# Altium PCB DM1092.PcbDoc (part 1 of 5) (continued)
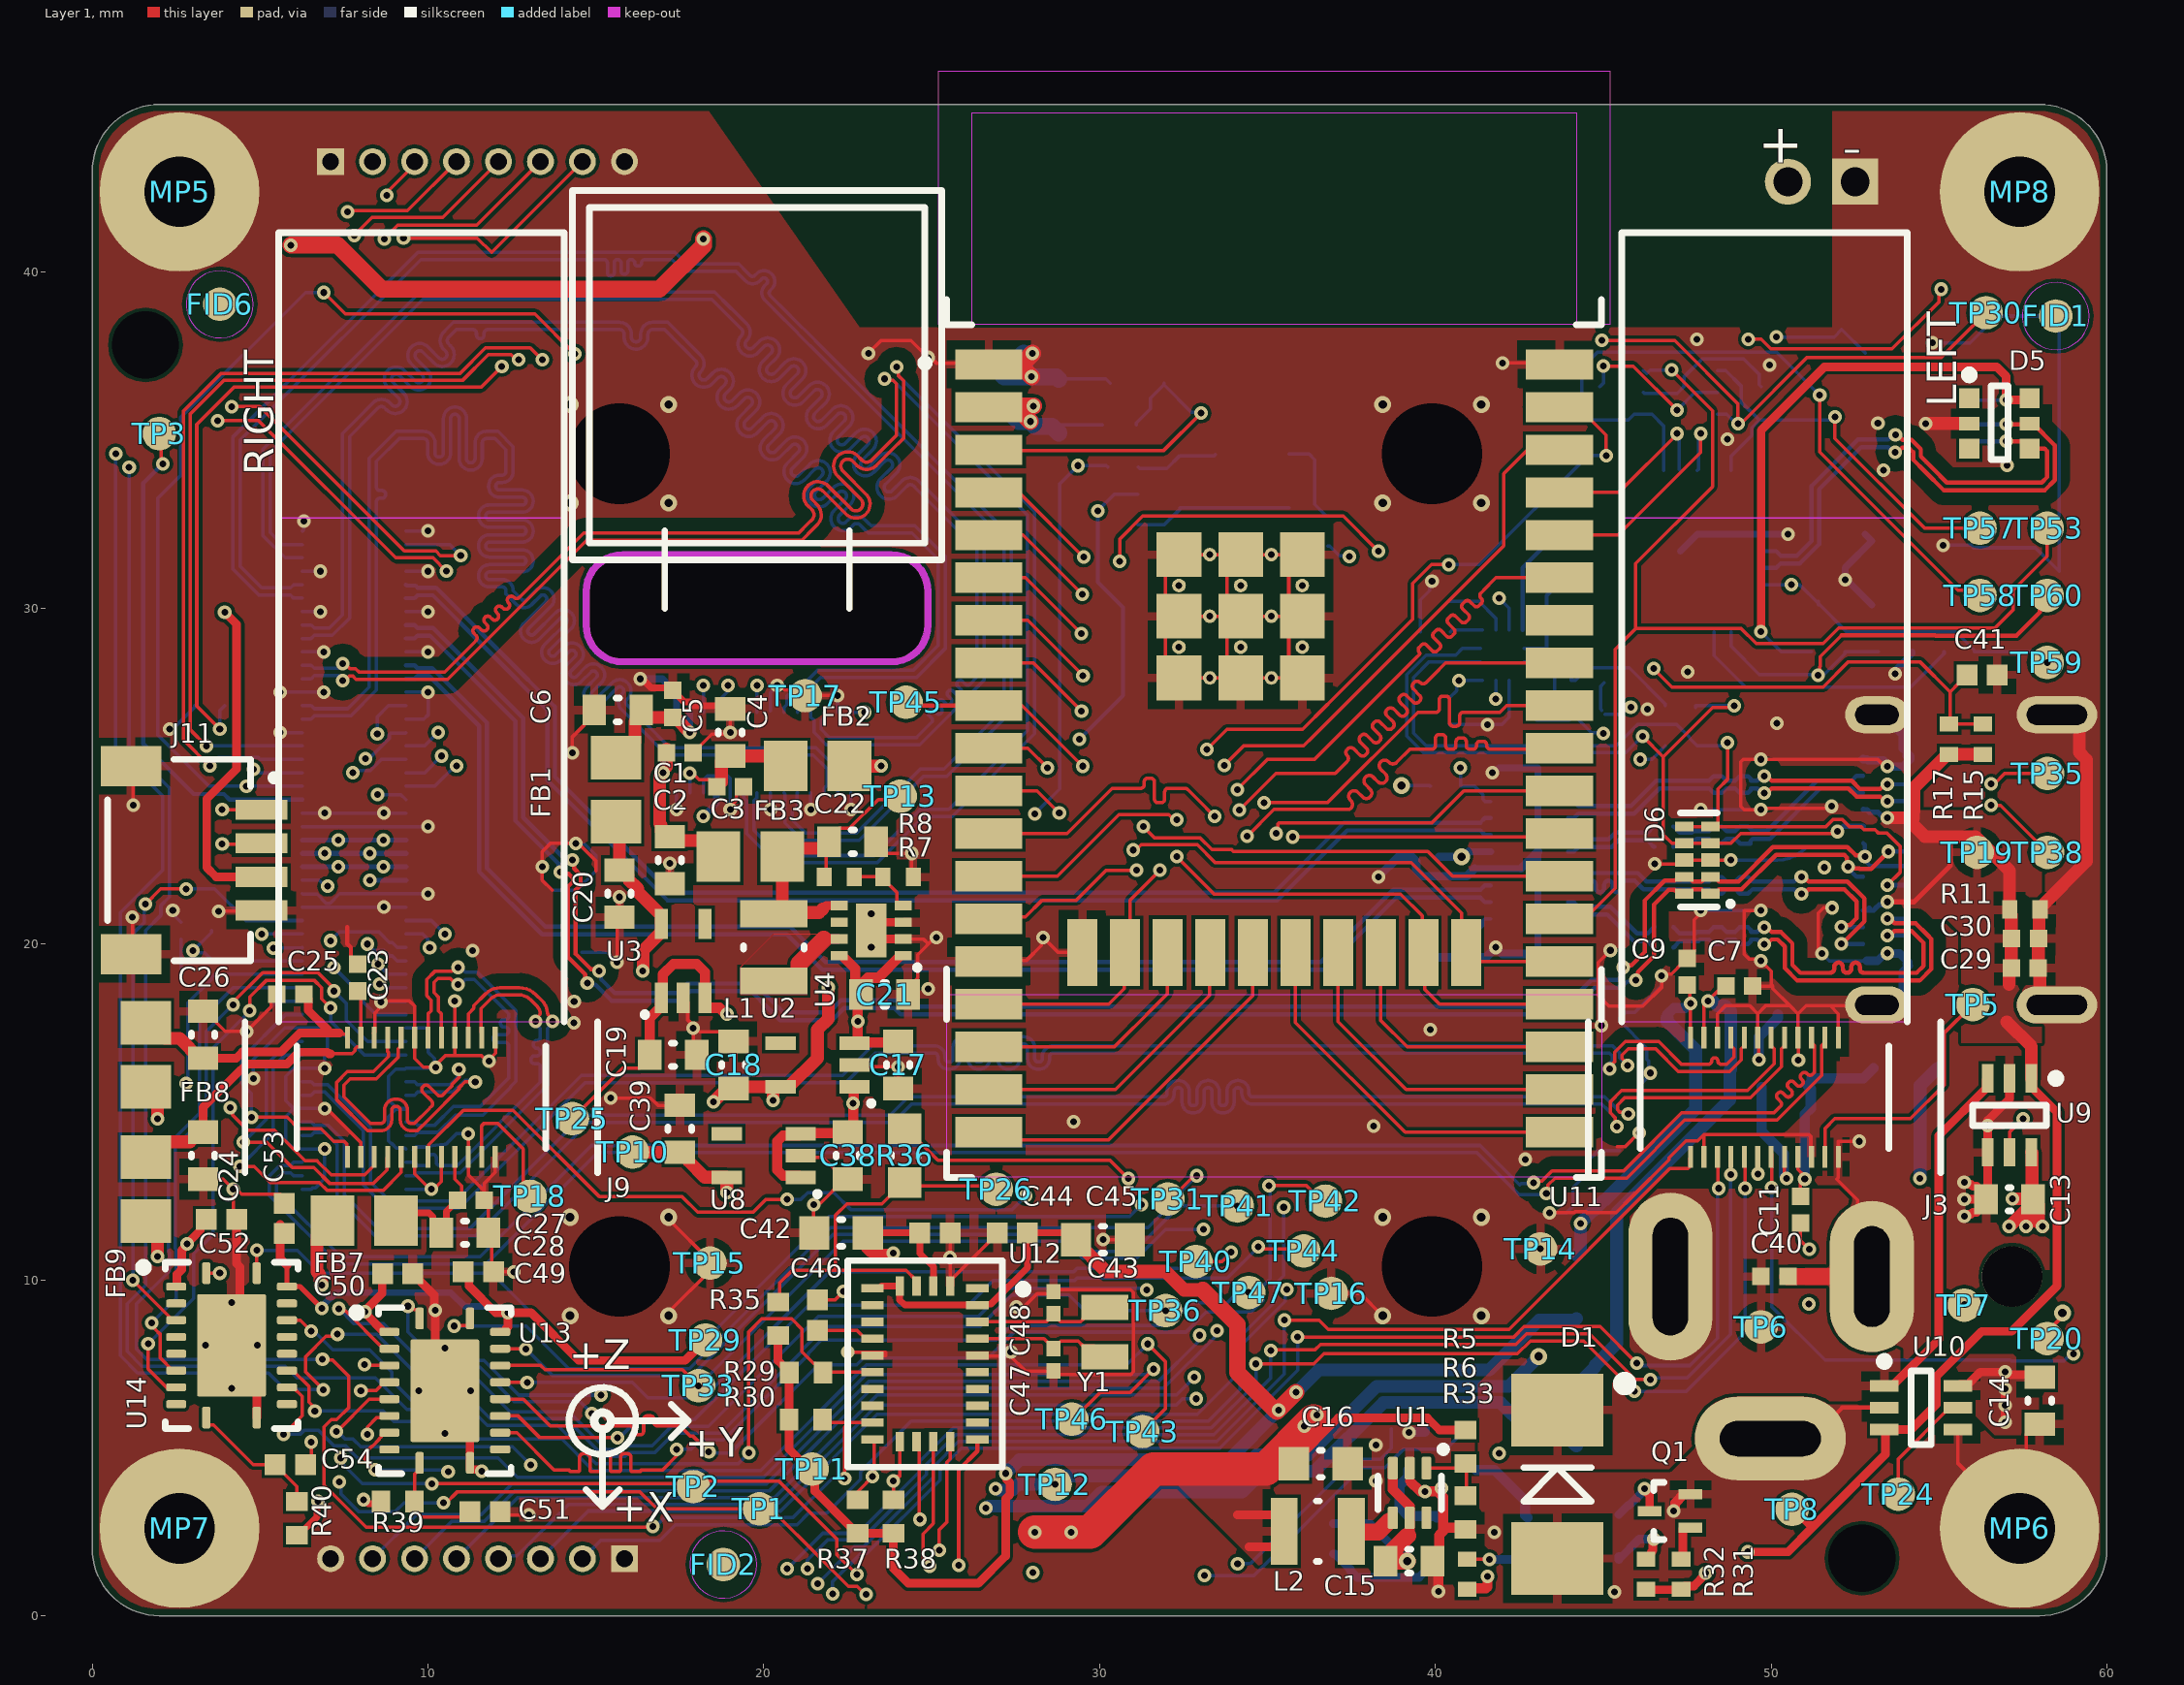
[diagram p0: Layer 1 view]
## Footprints (in the part's own frame and the unit in brackets; to place one, negate y for a bottom-side part, rotate by r counter-clockwise, add the part's x,y. Pads: shape width x height; smd on the part's side, far side on the other; paste and mask are expansions set on the pad) (continued)
  rect 0.4x0.9 smd paste-0.025 mask+0.05: 1(-0.65,-1.1) 2(0,-1.1) 3(0.65,-1.1) 4(0.65,1.1) 5(-0.65,1.1)
  silkscreen extent -1.17,-1.63 -1.12,-1.57, body extent -1.1,-1.2 1.1,1.2, height 1.1
TLV70018DCK [mm] "SC70-5 1.1mm"
  rect 0.4x0.9 smd paste-0.025 mask+0.05: 1(-0.65,-1.1) 2(0,-1.1) 3(0.65,-1.1) 4(0.65,1.1) 5(-0.65,1.1)
  silkscreen extent -1.17,-1.63 -1.12,-1.57, body extent -1.1,-1.2 1.1,1.2, height 1.1
TLV70028DCK [mm] "SC70-5 1.1mm"
  rect 0.4x0.9 smd paste-0.025 mask+0.05: 1(-0.65,-1.1) 2(0,-1.1) 3(0.65,-1.1) 4(0.65,1.1) 5(-0.65,1.1)
  silkscreen extent -1.17,-1.63 -1.12,-1.57, body extent -1.1,-1.2 1.1,1.2, height 1.1
TP075_150_NS [mm] "0.75mm dia pad, 1.5mm dia clearance, no silk screen"
  round 0.75 smd paste-2: 1(0,0)
TP100_200_NS [mm] "1mm dia pad, 2mm dia clearance, no silk screen"
  round 1 smd paste-2: 1(0,0)
TPD4EUSB30DQAR [mm] "TPD4EUSB30DQAR"
  rect 0.3x0.55 smd mask+0.05: 1(-1,-0.39) 2(-0.5,-0.39) 4(0.5,-0.39) 5(1,-0.39) 6(1,0.39) 7(0.5,0.39) 9(-0.5,0.39) 10(-1,0.39)
  rect 0.4x0.55 smd mask+0.05: 3(0,-0.39) 8(0,0.39)
  silkscreen extent -1.4,-1.01 1.4,0.5, body extent -1.2,-0.71 1.2,0.71, height 0.55
TUSB321RWBR [mm] "X2QFN-12 1.6x1.6"
  rrect50% 0.2x0.7 smd mask+0.05: 1(0.2,0.65) 2(-0.2,0.65) 7(-0.2,-0.65) 8(0.2,-0.65)
  rrect50% 0.5x0.2 smd mask+0.05: 3(-0.75,0.6) 4(-0.75,0.2) 5(-0.75,-0.2) 6(-0.75,-0.6) 9(0.75,-0.6) 10(0.75,-0.2) 11(0.75,0.2) 12(0.75,0.6)
  silkscreen extent 0.57,0.97 0.63,1.03, body extent -0.8,-0.8 0.8,0.8, height 0.4
TXS0108ERGYR [mm] "20-VQFN (3.5x4.5)"
  rrect50% 0.25x0.65 smd mask+0.07: 1(-0.75,2.15) 10(-0.75,-2.15) 11(0.75,-2.15) 20(0.75,2.15)
  rrect50% 0.6x0.24 smd mask+0.07: 2(-1.65,1.75) 3(-1.65,1.25) 4(-1.65,0.75) 5(-1.65,0.25) 6(-1.65,-0.25) 7(-1.65,-0.75) 8(-1.65,-1.25) 9(-1.65,-1.75) 12(1.65,-1.75) 13(1.65,-1.25) 14(1.65,-0.75) 15(1.65,-0.25) 16(1.65,0.25) 17(1.65,0.75) 18(1.65,1.25) 19(1.65,1.75)
  oval 0.406x0.406 hole 0.203 mask+0.102: 21(-0.775,0) 21(0,-1.275) 21(0,1.275) 21(0.775,0)
  rrect5% 2.05x3.05 smd paste-3 mask+0.07: 21(0,0)
  silkscreen extent -2.75,-2.47 1.97,2.48, body extent -1.83,-2.33 1.83,2.33, height 1

## Part data
B1: library part DTSM-32N-V, "SWITCH TACTILE SMT 3.5mm * 6mm , brown 160gf", Manufacturer 1=Diptronics, Manufacturer Part Number 1=DTSM-32N-V-T/R, Max Operating Temperature=80°C, Min Operating Temperature=-30°C, Supplier Part Number 1=113-DTSM32NVTR, ComponentLink1Description=https://datasheet.ciiva.com/29188/708548-da-01-en-tastschalter-smd-dtsm-32n-v-tr-1600st-29188823.pdf?src-supplier=Conrad, ComponentLink1URL=https://datasheet.ciiva.com/29188/708548-da-01-en-tastschalter-smd-dtsm-32n-v-tr-1600st-29188823.pdf?src-supplier=Conrad, Height=5mm, Length=6mm, Pricing 1="1=0.38000, 10=0.38000, 50=0.31000, 100=0.28200, 500=0.25600, 1000=0.23600, 1600=0.20900, 4800=0.18800, 9600=0.17300, 10000=0.17300, 24000=0.16100 (USD)", RoHS=No, Stock 1=3199, Supplier 1=Mouser, Width=3.5mm
C1 C3 C5 C7 C9 C11 C23 C25 C27: library part GRM155R71A104JA01D, "CAP CER 0.1UF 10V X7R 0402 5%", Capacitance=100nF, Case/Package=0402, Case Code (Metric)=1005, Dielectric=X7R, Manufacturer 1=Murata, Max Operating Temperature=125°C, Min Operating Temperature=-55°C, Package Quantity=10000, Supplier Part Number 1=490-10777-1-ND, Tolerance=5%, Voltage Rating=10V, Case Code (Imperial)=0402, ComponentLink1Description=https://datasheet.ciiva.com/5411/product-5411135.pdf?src-supplier=Mouser, ComponentLink1URL=https://datasheet.ciiva.com/5411/product-5411135.pdf?src-supplier=Mouser, ComponentLink2Description=https://datasheet.ciiva.com/11618/c02e-11618821.pdf?src-supplier=Avnet, ComponentLink2URL=https://datasheet.ciiva.com/11618/c02e-11618821.pdf?src-supplier=Avnet, Depth=0.5mm, Height=0.5mm, Lead Free="Lead Free", Length=1mm, Manufacturer Part Number 1=GRM155R71A104JA01D, Mount="Surface Mount", Packaging="Tape and Reel", Pricing 1="1=0.10000, 10=0.02500, 100=0.01130, 500=0.00806, 1000=0.00633, 2500=0.00575, 5000=0.00529 (USD)", Radiation Hardening=No, RoHS=Yes, Stock 1=1346709, Supplier 1=Digi-Key, Termination=SMD/SMT, Thickness=0.022inch, Voltage Rating (DC)=10V, Width=0.02inch
C2 C4 C6 C8 C10 C12 C17 C18 C19 C20 C21 C24 C26 C28 C38 C39: library part GRM188R61A106ME69D, "CAP CER 10UF 10V X5R 0603 20%", Capacitance=10uF, Case/Package=0603, Case Code (Metric)=1608, Dielectric=X5R, Manufacturer 1=Murata, Max Operating Temperature=85°C, Min Operating Temperature=-55°C, Package Quantity=4000, Supplier Part Number 1=490-10475-1-ND, Tolerance=20%, Voltage Rating=10V, Case Code (Imperial)=0603, ComponentLink1Description=http://www.mouser.com/ds/2/281/c02e-2905.pdf?src-supplier=Mouser, ComponentLink1URL=http://www.mouser.com/ds/2/281/c02e-2905.pdf?src-supplier=Mouser, ComponentLink2Description=http://components.arrow.com/part/dataview/0323_06119472?src-supplier=Arrow+Europe, ComponentLink2URL=http://components.arrow.com/part/dataview/0323_06119472?src-supplier=Arrow+Europe, ComponentLink3Description=http://www.farnell.com/datasheets/2048014.pdf?src-supplier=Farnell, ComponentLink3URL=http://www.farnell.com/datasheets/2048014.pdf?src-supplier=Farnell, ComponentLink4Description=http://www.farnell.com/datasheets/1872210.pdf?src-supplier=Farnell, ComponentLink4URL=http://www.farnell.com/datasheets/1872210.pdf?src-supplier=Farnell, ComponentLink5Description=http://search.murata.co.jp/Ceramy/image/img/A01X/G101/ENG/GRM188R61A106ME69-01.pdf?src-supplier=Digi-Key, ComponentLink5URL=http://search.murata.co.jp/Ceramy/image/img/A01X/G101/ENG/GRM188R61A106ME69-01.pdf?src-supplier=Digi-Key, ComponentLink6Description=http://www.farnell.com/datasheets/1872210.pdf?src-supplier=Newark, ComponentLink6URL=http://www.farnell.com/datasheets/1872210.pdf?src-supplier=Newark, ComponentLink7Description=http://www.farnell.com/datasheets/2048014.pdf?src-supplier=Element14, ComponentLink7URL=http://www.farnell.com/datasheets/2048014.pdf?src-supplier=Element14, ComponentLink8Description=http://www.farnell.com/datasheets/2048014.pdf?src-supplier=Newark, ComponentLink8URL=http://www.farnell.com/datasheets/2048014.pdf?src-supplier=Newark, Depth=0.8mm, Height=0.8mm, Lead Free="Lead Free", Length=1.6mm, Manufacturer Part Number 1=GRM188R61A106ME69D, Material=Ceramic, Mount="Surface Mount", Packaging="Tape and Reel", Pricing 1="1=0.21000, 10=0.14100, 100=0.07130, 500=0.04876, 1000=0.04313 (USD)", REACH SVHC=Unknown, RoHS=Yes, Stock 1=2873098, Supplier 1=Digi-Key, Termination=SMD/SMT, Thickness=0.035inch, Voltage Rating (DC)=10V, Weight=0.000222oz, Width=0.8mm
C13 C14 C22: library part GRM188R61A226ME15D, "CAP CER 22UF 10V X5R 0603 20%", Capacitance=22uF, Case/Package=0603, Case Code (Metric)=1608, Dielectric=X5R, Manufacturer 1=Murata, Max Operating Temperature=85°C, Min Operating Temperature=-55°C, Package Quantity=4000, Supplier Part Number 1=490-10476-1-ND, Tolerance=20%, Voltage Rating=10V, Case Code (Imperial)=0603, ComponentLink1Description=https://datasheet.ciiva.com/46444/1769893-46444975.pdf?src-supplier=Element14, ComponentLink1URL=https://datasheet.ciiva.com/46444/1769893-46444975.pdf?src-supplier=Element14, Depth=0.8mm, Height=0.8mm, Lead Free="Lead Free", Length=1.6mm, Manufacturer Part Number 1=GRM188R61A226ME15D, Material=Ceramic, Mount="Surface Mount", Packaging="Tape and Reel", Pricing 1="1=0.31000, 10=0.21500, 100=0.12160, 500=0.08584, 1000=0.07512 (USD)", REACH SVHC="No SVHC", RoHS=Yes, Stock 1=984716, Supplier 1=Digi-Key, Termination=SMD/SMT, Thickness=0.039inch, Voltage Rating (DC)=10V, Weight=0.000222oz, Width=0.8mm
C15 C42 C43 C56: library part GRM188R61A106ME69D, "CAP CER 10UF 10V X5R 0603 20%", Capacitance=10uF, Case Code (Imperial)=0603, Case Code (Metric)=1608, Dielectric=X5R, Manufacturer 1=Murata, Max Operating Temperature=85°C, Min Operating Temperature=-55°C, Package Quantity=4000, Supplier Part Number 1=490-10475-1-ND, Tolerance=20%, Voltage Rating=10V, Case/Package=0603, ComponentLink1Description=http://www.mouser.com/ds/2/281/c02e-2905.pdf?src-supplier=Mouser, ComponentLink1URL=http://www.mouser.com/ds/2/281/c02e-2905.pdf?src-supplier=Mouser, ComponentLink2Description=http://components.arrow.com/part/dataview/0323_06119472?src-supplier=Arrow+Europe, ComponentLink2URL=http://components.arrow.com/part/dataview/0323_06119472?src-supplier=Arrow+Europe, ComponentLink3Description=http://www.farnell.com/datasheets/2048014.pdf?src-supplier=Farnell, ComponentLink3URL=http://www.farnell.com/datasheets/2048014.pdf?src-supplier=Farnell, ComponentLink4Description=http://www.farnell.com/datasheets/1872210.pdf?src-supplier=Farnell, ComponentLink4URL=http://www.farnell.com/datasheets/1872210.pdf?src-supplier=Farnell, ComponentLink5Description=http://search.murata.co.jp/Ceramy/image/img/A01X/G101/ENG/GRM188R61A106ME69-01.pdf?src-supplier=Digi-Key, ComponentLink5URL=http://search.murata.co.jp/Ceramy/image/img/A01X/G101/ENG/GRM188R61A106ME69-01.pdf?src-supplier=Digi-Key, ComponentLink6Description=http://www.farnell.com/datasheets/1872210.pdf?src-supplier=Newark, ComponentLink6URL=http://www.farnell.com/datasheets/1872210.pdf?src-supplier=Newark, ComponentLink7Description=http://www.farnell.com/datasheets/2048014.pdf?src-supplier=Element14, ComponentLink7URL=http://www.farnell.com/datasheets/2048014.pdf?src-supplier=Element14, ComponentLink8Description=http://www.farnell.com/datasheets/2048014.pdf?src-supplier=Newark, ComponentLink8URL=http://www.farnell.com/datasheets/2048014.pdf?src-supplier=Newark, Depth=0.8mm, Height=0.8mm, Lead Free="Lead Free", Length=1.6mm, Manufacturer Part Number 1=GRM188R61A106ME69D, Material=Ceramic, Mount="Surface Mount", Packaging="Tape and Reel", Pricing 1="1=0.21000, 10=0.14100, 100=0.07130, 500=0.04876, 1000=0.04313 (USD)", REACH SVHC=Unknown, RoHS=Yes, Stock 1=2873098, Supplier 1=Digi-Key, Termination=SMD/SMT, Thickness=0.035inch, Voltage Rating (DC)=10V, Weight=0.000222oz, Width=0.8mm
C16: library part GRM188R61A226ME15D, "CAP CER 22UF 10V X5R 0603 20%", Capacitance=22uF, Case Code (Imperial)=0603, Case Code (Metric)=1608, Dielectric=X5R, Manufacturer 1=Murata, Max Operating Temperature=85°C, Min Operating Temperature=-55°C, Package Quantity=4000, Supplier Part Number 1=490-10476-1-ND, Tolerance=20%, Voltage Rating=10V, Case/Package=0603, ComponentLink1Description=https://datasheet.ciiva.com/46444/1769893-46444975.pdf?src-supplier=Element14, ComponentLink1URL=https://datasheet.ciiva.com/46444/1769893-46444975.pdf?src-supplier=Element14, Depth=0.8mm, Height=0.8mm, Lead Free="Lead Free", Length=1.6mm, Manufacturer Part Number 1=GRM188R61A226ME15D, Material=Ceramic, Mount="Surface Mount", Packaging="Tape and Reel", Pricing 1="1=0.31000, 10=0.21500, 100=0.12160, 500=0.08584, 1000=0.07512 (USD)", REACH SVHC="No SVHC", RoHS=Yes, Stock 1=984716, Supplier 1=Digi-Key, Termination=SMD/SMT, Thickness=0.039inch, Voltage Rating (DC)=10V, Weight=0.000222oz, Width=0.8mm
C29 C30 C35 C36: library part GRM155R60J106ME15D, "CAP CER 10UF 6.3V X5R 0402 20%", Capacitance=10uF, Case/Package=0402, Case Code (Metric)=1005, Dielectric=X5R, Manufacturer 1=Murata, Max Operating Temperature=85°C, Min Operating Temperature=-55°C, Supplier Part Number 1=490-13238-1-ND, Tolerance=20%, Voltage Rating=6.3V, Case Code (Imperial)=0402, ComponentLink1Description=https://www.murata.com/~/media/webrenewal/support/library/catalog/products/capacitor/mlcc/c02e.ashx?la=en-us&src-supplier=Digi-Key, ComponentLink1URL=https://www.murata.com/~/media/webrenewal/support/library/catalog/products/capacitor/mlcc/c02e.ashx?la=en-us&src-supplier=Digi-Key, Length=0.039inch, Manufacturer Part Number 1=GRM155R60J106ME15D, Mount="Surface Mount", Packaging="Tape and Reel", Pricing 1="1=0.23000, 10=0.15700, 100=0.07950, 500=0.05442, 1000=0.04814, 2500=0.04605, 5000=0.04186 (USD)", RoHS=Yes, Stock 1=1839627, Supplier 1=Digi-Key, Thickness=0.026inch, Voltage Rating (DC)=6.3V, Width=0.02inch
C31 C32 C33 C34: library part GRM033R61A104KE15D, "CAP CER 0.1UF 10V X5R 0201", Capacitance=100nF, Case/Package=0201, Case Code (Metric)=0603, Dielectric=X5R, Manufacturer 1=Murata, Max Operating Temperature=85°C, Min Operating Temperature=-55°C, Package Quantity=1, Supplier Part Number 1=490-5881-1-ND, Tolerance=10%, Voltage=10V, Case Code (Imperial)=0201, ComponentLink1Description=https://datasheet.ciiva.com/26843/getdatasheetpartid-308656-26843739.pdf?src-supplier=Verical, ComponentLink1URL=https://datasheet.ciiva.com/26843/getdatasheetpartid-308656-26843739.pdf?src-supplier=Verical, ComponentLink2Description=https://datasheet.ciiva.com/5413/product-5413117.pdf?src-supplier=Mouser, ComponentLink2URL=https://datasheet.ciiva.com/5413/product-5413117.pdf?src-supplier=Mouser, ComponentLink3Description=https://datasheet.ciiva.com/6256/partnumbering-e-01-6256406.pdf?src-supplier=Digi-Key, ComponentLink3URL=https://datasheet.ciiva.com/6256/partnumbering-e-01-6256406.pdf?src-supplier=Digi-Key, ComponentLink4Description=https://datasheet.ciiva.com/6256/partnumbering-e-01-6256407.pdf?src-supplier=Digi-Key, ComponentLink4URL=https://datasheet.ciiva.com/6256/partnumbering-e-01-6256407.pdf?src-supplier=Digi-Key, ComponentLink5Description=https://datasheet.ciiva.com/6256/partnumbering-e-01-6256408.pdf?src-supplier=Digi-Key, ComponentLink5URL=https://datasheet.ciiva.com/6256/partnumbering-e-01-6256408.pdf?src-supplier=Digi-Key, Depth=0.3mm, Height=0.3mm, Lead Free="Lead Free", Length=0.6mm, Manufacturer Part Number 1=GRM033R61A104KE15D, Mount="Surface Mount", Packaging="Tape and Reel", Pricing 1="1=0.10000, 10=0.04200, 100=0.01860, 500=0.01330, 1000=0.01045, 2500=0.00950, 5000=0.00874 (USD)", Radiation Hardening=No, REACH SVHC="No SVHC", RoHS=Yes, Stock 1=45335312, Supplier 1=Digi-Key, Termination=SMD/SMT, Thickness=0.013inch, Voltage Rating=10V, Voltage Rating (DC)=10V, Weight=6E-06oz, Width=0.012inch
C40 C41 C51 C54: library part GRM155R61E105KA12D, "CAP CER 1UF 25V X5R 0402 10%", Capacitance=1uF, Case Code (Imperial)=0402, Case Code (Metric)=1005, Dielectric=X5R, Manufacturer 1=Murata, Max Operating Temperature=85°C, Min Operating Temperature=-55°C, Package Quantity=10000, Supplier Part Number 1=490-10017-1-ND, Tolerance=10%, Voltage=25V, Case/Package=0402, ComponentLink1Description=https://datasheet.ciiva.com/22732/1666664-22732122.pdf?src-supplier=Element14, ComponentLink1URL=https://datasheet.ciiva.com/22732/1666664-22732122.pdf?src-supplier=Element14, ComponentLink2Description=https://datasheet.ciiva.com/7719/1666664-7719006.pdf?src-supplier=Element14, ComponentLink2URL=https://datasheet.ciiva.com/7719/1666664-7719006.pdf?src-supplier=Element14, Depth=0.5mm, Height=0.5mm, Lead Free="Lead Free", Length=1mm, Manufacturer Part Number 1=GRM155R61E105KA12D, Material=Ceramic, Mount="Surface Mount", Packaging="Tape and Reel", Pricing 1="1=0.10000, 10=0.07100, 100=0.03350, 500=0.02352, 1000=0.01947, 2500=0.01812, 5000=0.01658 (USD)", REACH SVHC="No SVHC", RoHS=Yes, Stock 1=200653, Supplier 1=Digi-Key, Termination=SMD/SMT, Thickness=0.022inch, Voltage Rating=25V, Voltage Rating (DC)=25V, Weight=0.000212oz, Width=0.5mm
  C41 C51 C54: Supplier 2=Arrow, Supplier 3=TTI, Supplier Part Number 2=GRM155R61E105KA12D, Supplier Part Number 3=GRM155R61E105KA12D
C44 C45 C46 C49 C50 C52 C53 C55: library part GRM155R71A104JA01D, "CAP CER 0.1UF 10V X7R 0402 5%", Capacitance=100nF, Case Code (Imperial)=0402, Case Code (Metric)=1005, Dielectric=X7R, Manufacturer 1=Murata, Max Operating Temperature=125°C, Min Operating Temperature=-55°C, Package Quantity=10000, Supplier Part Number 1=490-10777-1-ND, Tolerance=5%, Voltage Rating=10V, Case/Package=0402, ComponentLink1Description=https://datasheet.ciiva.com/5411/product-5411135.pdf?src-supplier=Mouser, ComponentLink1URL=https://datasheet.ciiva.com/5411/product-5411135.pdf?src-supplier=Mouser, ComponentLink2Description=https://datasheet.ciiva.com/11618/c02e-11618821.pdf?src-supplier=Avnet, ComponentLink2URL=https://datasheet.ciiva.com/11618/c02e-11618821.pdf?src-supplier=Avnet, Depth=0.5mm, Height=0.5mm, Lead Free="Lead Free", Length=1mm, Manufacturer Part Number 1=GRM155R71A104JA01D, Mount="Surface Mount", Packaging="Tape and Reel", Pricing 1="1=0.10000, 10=0.02500, 100=0.01130, 500=0.00806, 1000=0.00633, 2500=0.00575, 5000=0.00529 (USD)", Radiation Hardening=No, RoHS=Yes, Stock 1=1346709, Supplier 1=Digi-Key, Termination=SMD/SMT, Thickness=0.022inch, Voltage Rating (DC)=10V, Width=0.02inch
C47 C48: library part GRM0335C1E180FA01D, "Cap Ceramic 18pF 25V C0G 1% Pad SMD 0201 125C T/R", Capacitance=18pF, Case Code (Imperial)=0201, Case Code (Metric)=0603, Dielectric=C0G, Manufacturer 1=Murata, Max Operating Temperature=125°C, Min Operating Temperature=-55°C, Package Quantity=15000, Supplier Part Number 1=490-17804-1-ND, Tolerance=1%, Voltage Rating=25V, Case/Package=0201, Category="Ceramic Capacitors", ComponentLink1Description=https://datasheet.ciiva.com/29538/partnumbering-e-01-29538328.pdf?src-supplier=Digi-Key, ComponentLink1URL=https://datasheet.ciiva.com/29538/partnumbering-e-01-29538328.pdf?src-supplier=Digi-Key, Height=0.3mm, Length=0.024inch, Manufacturer Part Number 1=GRM0335C1E180FA01D, Mount="Surface Mount", Packaging="Tape and Reel", Pricing 1="1=0.10000, 10=0.02100, 100=0.00930, 500=0.00666, 1000=0.00523, 2500=0.00476, 5000=0.00438 (USD)", RoHS=Yes, Stock 1=27511, Supplier 1=Digi-Key, Supplier 2=Digi-Key, Supplier 3=Mouser, Supplier Part Number 2=490-17804-2-ND, Supplier Part Number 3=81-GRM0335C1E180FA1D, Termination=SMD/SMT, Thickness=0.013inch, Voltage Rating (DC)=25V, Width=0.3mm
C57 C58: library part GRM188R61C475KAAJD, "CAP CER 4.7UF 16V X5R 0603 10%", Capacitance=4.7uF, Case Code (Imperial)=0603, Case Code (Metric)=1608, Dielectric=X5R, Manufacturer 1=Murata, Max Operating Temperature=85°C, Min Operating Temperature=-55°C, Package Quantity=4000, Supplier Part Number 1=490-10481-1-ND, Tolerance=10%, Voltage Rating=16V, Case/Package=0603, ComponentLink1Description=https://datasheet.ciiva.com/14813/595grm188r61c475kaaj23-14813668.pdf?src-supplier=Arrow, ComponentLink1URL=https://datasheet.ciiva.com/14813/595grm188r61c475kaaj23-14813668.pdf?src-supplier=Arrow, Depth=0.8mm, Height=0.8mm, Lead Free="Lead Free", Length=1.6mm, Manufacturer 2=Murata, Manufacturer 3=Murata, Manufacturer Part Number 1=GRM188R61C475KAAJD, Manufacturer Part Number 2=GRM188R61C475KAAJD, Manufacturer Part Number 3=GRM188R61C475KAAJD, Material=Ceramic, Mount="Surface Mount", Packaging="Tape and Reel", Pricing 1="1=0.35000, 10=0.24600, 100=0.14730, 500=0.11050, 1000=0.09331 (USD)", Pricing 2="1=0.35000, 10=0.24600, 100=0.14730, 500=0.11050, 1000=0.09331 (USD)", Pricing 3="4000=0.07259, 8000=0.06832, 12000=0.06619, 28000=0.06405 (USD)", REACH SVHC="No SVHC", RoHS=Yes, Stock 1=455058, Stock 2=455058, Stock 3=452000, Supplier 1=Digi-Key, Supplier 2=Digi-Key, Supplier 3=Digi-Key, Supplier Part Number 2=490-10481-6-ND, Supplier Part Number 3=490-10481-2-ND, Termination=SMD/SMT, Thickness=0.037inch, Voltage Rating (DC)=16V, Weight=0.000222oz, Width=0.8mm
D1: library part 1SMB5919BT3G, "DIODE ZENER 5.6V 3W SMB", Breakdown Voltage=5.88V, Case/Package=SMB, Forward Voltage=1.5V, Manufacturer 1="ON Semiconductor", Max Operating Temperature=150°C, Max Power Dissipation=3W, Max Reverse Leakage Current=5uA, Min Operating Temperature=-65°C, Package Quantity=1, Power Dissipation=550mW, Supplier Part Number 1=1SMB5919BT3GOSTR-ND, Test Current=66.9mA, Tolerance=5%, Voltage Rating (DC)=5.6V, Zener Current=267mA, Category="Zener Diodes", ComponentLink1Description=https://datasheet.ciiva.com/27747/1308331-27747654.pdf?src-supplier=Jameco, ComponentLink1URL=https://datasheet.ciiva.com/27747/1308331-27747654.pdf?src-supplier=Jameco, ComponentLink2Description=https://datasheet.ciiva.com/1182/1smb5913bt3-d-1182657.pdf?src-supplier=Element14, ComponentLink2URL=https://datasheet.ciiva.com/1182/1smb5913bt3-d-1182657.pdf?src-supplier=Element14, ComponentLink3Description=https://datasheet.ciiva.com/1182/1smb5913bt3-d-1182658.pdf?src-supplier=Element14, ComponentLink3URL=https://datasheet.ciiva.com/1182/1smb5913bt3-d-1182658.pdf?src-supplier=Element14, ComponentLink4Description=https://datasheet.ciiva.com/895/1smb5913bt3-d-895203.pdf?src-supplier=Digi-Key, ComponentLink4URL=https://datasheet.ciiva.com/895/1smb5913bt3-d-895203.pdf?src-supplier=Digi-Key, ComponentLink5Description=https://datasheet.ciiva.com/895/1smb5913bt3-d-895204.pdf?src-supplier=Digi-Key, ComponentLink5URL=https://datasheet.ciiva.com/895/1smb5913bt3-d-895204.pdf?src-supplier=Digi-Key, ComponentLink6Description=https://datasheet.ciiva.com/895/1smb5913bt3-d-895205.pdf?src-supplier=Digi-Key, ComponentLink6URL=https://datasheet.ciiva.com/895/1smb5913bt3-d-895205.pdf?src-supplier=Digi-Key, ComponentLink7Description=https://datasheet.ciiva.com/15198/getdatasheetpartid-311040-15198695.pdf?src-supplier=Verical, ComponentLink7URL=https://datasheet.ciiva.com/15198/getdatasheetpartid-311040-15198695.pdf?src-supplier=Verical, ComponentLink8Description=https://datasheet.ciiva.com/16311/1smb5913bt3-d-16311847.pdf?src-supplier=Future+Electronics, ComponentLink8URL=https://datasheet.ciiva.com/16311/1smb5913bt3-d-16311847.pdf?src-supplier=Future+Electronics, ComponentLink9Description=https://datasheet.ciiva.com/16472/1smb5913bt3-d-16472779.pdf?src-supplier=Avnet+Asia, ComponentLink9URL=https://datasheet.ciiva.com/16472/1smb5913bt3-d-16472779.pdf?src-supplier=Avnet+Asia, Contact Plating=Tin,Matte, Element Configuration=Single, ESD Protection=Yes, Halogen Free="Halogen Free", Height=2.13mm, Impedance=2R, Lead Free="Lead Free", Length=4.32mm, Manufacturer Part Number 1=1SMB5919BT3G, Material=Plastic, Number of Pins=2, Packaging="Tape and Reel", Peak Reverse Current=5uA, Power Rating=3W, Pricing 1="2500=0.08908, 5000=0.08384, 12500=0.07860, 25000=0.07598, 62500=0.07074 (USD)", Radiation Hardening=No, REACH SVHC="No SVHC", RoHS=Yes, Stock 1=59012, Supplier 1=Digi-Key, Supplier 2=Avnet, Supplier 3=Newark, Supplier 4=LCSC, Supplier 5="Avnet Europe", Supplier Part Number 2=1SMB5919BT3G, Supplier Part Number 3=67R1406, Supplier Part Number 4=C70260, Supplier Part Number 5=1SMB5919BT3G, Voltage Tolerance=5%, Width=3.56mm, Working Voltage=5.6V, Zener Voltage=5.6V
D2: library part SML-D12U8WT86, "LED RED DIFFUSED 0603 SMD Red 620nm LED Indication - Discrete 2.2V 0603 (1608 Metric)", Case/Package=0603, Case Code (Metric)=1608, Color=Red, Forward Current=20mA, Forward Voltage=2.2V, Lens Color=White,Clear,Diffused, Manufacturer 1=Rohm, Max Operating Temperature=85°C, Min Operating Temperature=-40°C, Package Quantity=1, Supplier Part Number 1=511-1580-1-ND, Case Code (Imperial)=0603, ComponentLink1Description=https://datasheet.ciiva.com/11774/0900766b80df3ada-11774020.pdf?src-supplier=RSComponents, ComponentLink1URL=https://datasheet.ciiva.com/11774/0900766b80df3ada-11774020.pdf?src-supplier=RSComponents, ComponentLink2Description=https://datasheet.ciiva.com/2110/sml-d1-2110375.pdf?src-supplier=Digi-Key, ComponentLink2URL=https://datasheet.ciiva.com/2110/sml-d1-2110375.pdf?src-supplier=Digi-Key, ComponentLink3Description=https://datasheet.ciiva.com/2110/sml-d1-2110376.pdf?src-supplier=Digi-Key, ComponentLink3URL=https://datasheet.ciiva.com/2110/sml-d1-2110376.pdf?src-supplier=Digi-Key, ComponentLink4Description=https://datasheet.ciiva.com/2110/sml-d1-2110377.pdf?src-supplier=Digi-Key, ComponentLink4URL=https://datasheet.ciiva.com/2110/sml-d1-2110377.pdf?src-supplier=Digi-Key, ComponentLink5Description=https://datasheet.ciiva.com/9324/sml-d1-9324826.pdf?src-supplier=Avnet, ComponentLink5URL=https://datasheet.ciiva.com/9324/sml-d1-9324826.pdf?src-supplier=Avnet, ComponentLink6Description=https://datasheet.ciiva.com/17420/sml-d1-17420939.pdf?src-supplier=Avnet+Europe, ComponentLink6URL=https://datasheet.ciiva.com/17420/sml-d1-17420939.pdf?src-supplier=Avnet+Europe, Dominant Wavelength=620nm, Height=0.65mm, Illumination Color=Red, Lead Free="Lead Free", Length=1.6mm, Lens Style=Rectangular,Diffused,Colorless, Lens Transparency=Diffused, Luminous Intensity=63mcd, Manufacturer Part Number 1=SML-D12U8WT86, Mount="Surface Mount", Number of LEDs=1, Number of Pins=2, Packaging="Tape and Reel", Pricing 1="1=0.33000, 10=0.23900, 100=0.11340, 500=0.07560, 1000=0.05922 (USD)", Radiation Hardening=No, REACH SVHC="No SVHC", RoHS=Yes, Stock 1=63748, Supplier 1=Digi-Key, Test Current=20mA, Viewing Angle=160°, Wavelength=620nm, Width=0.8mm
D3 D4: library part SML-D12D8WT86, "LED ORANGE DIFFUSED 0603 SMD Orange 605nm LED Indication - Discrete 2.2V 0603 (1608 Metric)", Case/Package=0603, Case Code (Metric)=1608, Color=Orange, Forward Current=20mA, Forward Voltage=2.2V, Lens Color=White, Manufacturer 1=Rohm, Max Operating Temperature=85°C, Min Operating Temperature=-40°C, Package Quantity=1, Supplier Part Number 1=511-1577-1-ND, Case Code (Imperial)=0603, ComponentLink1Description=https://datasheet.ciiva.com/2115/sml-d1-2115577.pdf?src-supplier=Digi-Key, ComponentLink1URL=https://datasheet.ciiva.com/2115/sml-d1-2115577.pdf?src-supplier=Digi-Key, ComponentLink2Description=https://datasheet.ciiva.com/2115/sml-d1-2115578.pdf?src-supplier=Digi-Key, ComponentLink2URL=https://datasheet.ciiva.com/2115/sml-d1-2115578.pdf?src-supplier=Digi-Key, ComponentLink3Description=https://datasheet.ciiva.com/3161/sml-d1-3161418.pdf?src-supplier=Avnet, ComponentLink3URL=https://datasheet.ciiva.com/3161/sml-d1-3161418.pdf?src-supplier=Avnet, ComponentLink4Description=https://datasheet.ciiva.com/16387/sml-d1-16387850.pdf?src-supplier=Future+Electronics, ComponentLink4URL=https://datasheet.ciiva.com/16387/sml-d1-16387850.pdf?src-supplier=Future+Electronics, ComponentLink5Description=https://datasheet.ciiva.com/2115/sml-d1-2115579.pdf?src-supplier=Digi-Key, ComponentLink5URL=https://datasheet.ciiva.com/2115/sml-d1-2115579.pdf?src-supplier=Digi-Key, ComponentLink6Description=https://datasheet.ciiva.com/17419/sml-d1-17419886.pdf?src-supplier=Avnet+Europe, ComponentLink6URL=https://datasheet.ciiva.com/17419/sml-d1-17419886.pdf?src-supplier=Avnet+Europe, Dominant Wavelength=605nm, Height=0.65mm, Illumination Color=Orange, Lead Free="Lead Free", Length=1.6mm, Lens Style=Diffused,Colorless,Rectangular, Lens Transparency=Diffused, Luminous Intensity=100mcd, Manufacturer Part Number 1=SML-D12D8WT86, Mount="Surface Mount", Number of LEDs=1, Number of Pins=2, Packaging="Tape and Reel", Pricing 1="1=0.33000, 10=0.23900, 100=0.11340, 500=0.07560, 1000=0.05922 (USD)", Radiation Hardening=No, REACH SVHC=Unknown, RoHS=Yes, Stock 1=29355, Supplier 1=Digi-Key, Test Current=20mA, Viewing Angle=160°, Wavelength=605nm, Width=0.8mm
D5: "TVS DIODE 5V 12V 6TSSOP", Manufacturer 1=Nexperia, Supplier Part Number 1=1727-5798-1-ND, Category="ESD and Circuit Protection ICs", ComponentLink1Description=https://www.mouser.com/ds/2/302/PESDXL5UF_V_Y-63173.pdf?src-supplier=Mouser, ComponentLink1URL=https://www.mouser.com/ds/2/302/PESDXL5UF_V_Y-63173.pdf?src-supplier=Mouser, Manufacturer Part Number 1=PESD5V0L5UY,125, Pricing 1="1=0.36000, 10=0.27500, 25=0.24760, 100=0.13050, 250=0.12916, 500=0.11566, 1000=0.09000 (USD)", RoHS=No, Stock 1=13001, Supplier 1=Digi-Key, Supplier 2=Digi-Key, Supplier 3=Arrow, Supplier 4=Mouser, Supplier Part Number 2=1727-5798-2-ND, Supplier Part Number 3=PESD5V0L5UY,125, Supplier Part Number 4=771-PESD5V0L5UY,125
D6 D7 D8: "TVS DIODE 5.5V 8V 10SON 8V Clamp 1A (8/20µs) Ipp Tvs Diode Surface Mount 10-USON (2.5x1)", Breakdown Voltage=7V, Capacitance=0.8pF, Clamping Voltage=8V, Current Rating=5A, Manufacturer 1="Texas Instruments", Max Operating Temperature=85°C, Min Operating Temperature=-40°C, Package Quantity=1, Peak Pulse Current=1A, Peak Pulse Power=45W, Power Line Protection=Yes, Reverse Standoff Voltage=5.5V, Supplier Part Number 1=296-28063-1-ND, ComponentLink1Description=https://datasheet.ciiva.com/339/tpd4eusb30-339202.pdf?src-supplier=Digi-Key, ComponentLink1URL=https://datasheet.ciiva.com/339/tpd4eusb30-339202.pdf?src-supplier=Digi-Key, ComponentLink2Description=https://datasheet.ciiva.com/15134/getdatasheetpartid-299321-15134669.pdf?src-supplier=Verical, ComponentLink2URL=https://datasheet.ciiva.com/15134/getdatasheetpartid-299321-15134669.pdf?src-supplier=Verical, ComponentLink3Description=https://datasheet.ciiva.com/41659/1634000-41659268.pdf?src-supplier=Farnell, ComponentLink3URL=https://datasheet.ciiva.com/41659/1634000-41659268.pdf?src-supplier=Farnell, ComponentLink4Description=https://datasheet.ciiva.com/22621/1882087-22621482.pdf?src-supplier=Element14, ComponentLink4URL=https://datasheet.ciiva.com/22621/1882087-22621482.pdf?src-supplier=Element14, ComponentLink5Description=https://datasheet.ciiva.com/339/tpd4eusb30-339203.pdf?src-supplier=Digi-Key, ComponentLink5URL=https://datasheet.ciiva.com/339/tpd4eusb30-339203.pdf?src-supplier=Digi-Key, ComponentLink6Description=https://datasheet.ciiva.com/339/tpd4eusb30-339204.pdf?src-supplier=Digi-Key, ComponentLink6URL=https://datasheet.ciiva.com/339/tpd4eusb30-339204.pdf?src-supplier=Digi-Key, ComponentLink7Description=https://datasheet.ciiva.com/1504/1882087-1504249.pdf?src-supplier=Element14, ComponentLink7URL=https://datasheet.ciiva.com/1504/1882087-1504249.pdf?src-supplier=Element14, Data Rate=6Gbps, Depth=1mm, Direction=Unidirectional, ESD Protection=Yes, Height=0.5mm, Interface=USB, Lead Free="Lead Free", Length=2.5mm, Manufacturer Part Number 1=TPD4EUSB30DQAR, Min Breakdown Voltage=8V, Number of Bidirectional Channels=4, Number of Channels=4, Number of Pins=10, Packaging="Tape and Reel", Pricing 1="1=0.81000, 10=0.71400, 100=0.54720, 500=0.43260, 1000=0.34608 (USD)", Radiation Hardening=No, REACH SVHC="No SVHC", RoHS=Yes, Stock 1=82778, Supplier 1=Digi-Key, Supplier 2="TI store", Supplier 3=Mouser, Supplier Part Number 2=TPD4EUSB30DQAR, Supplier Part Number 3=595-TPD4EUSB30DQAR, Termination=SMD/SMT, Width=1.1mm, Working Voltage=5.5V